# Altium PCB InsaneKeyboard.PcbDoc (part 1 of 3) (continued)
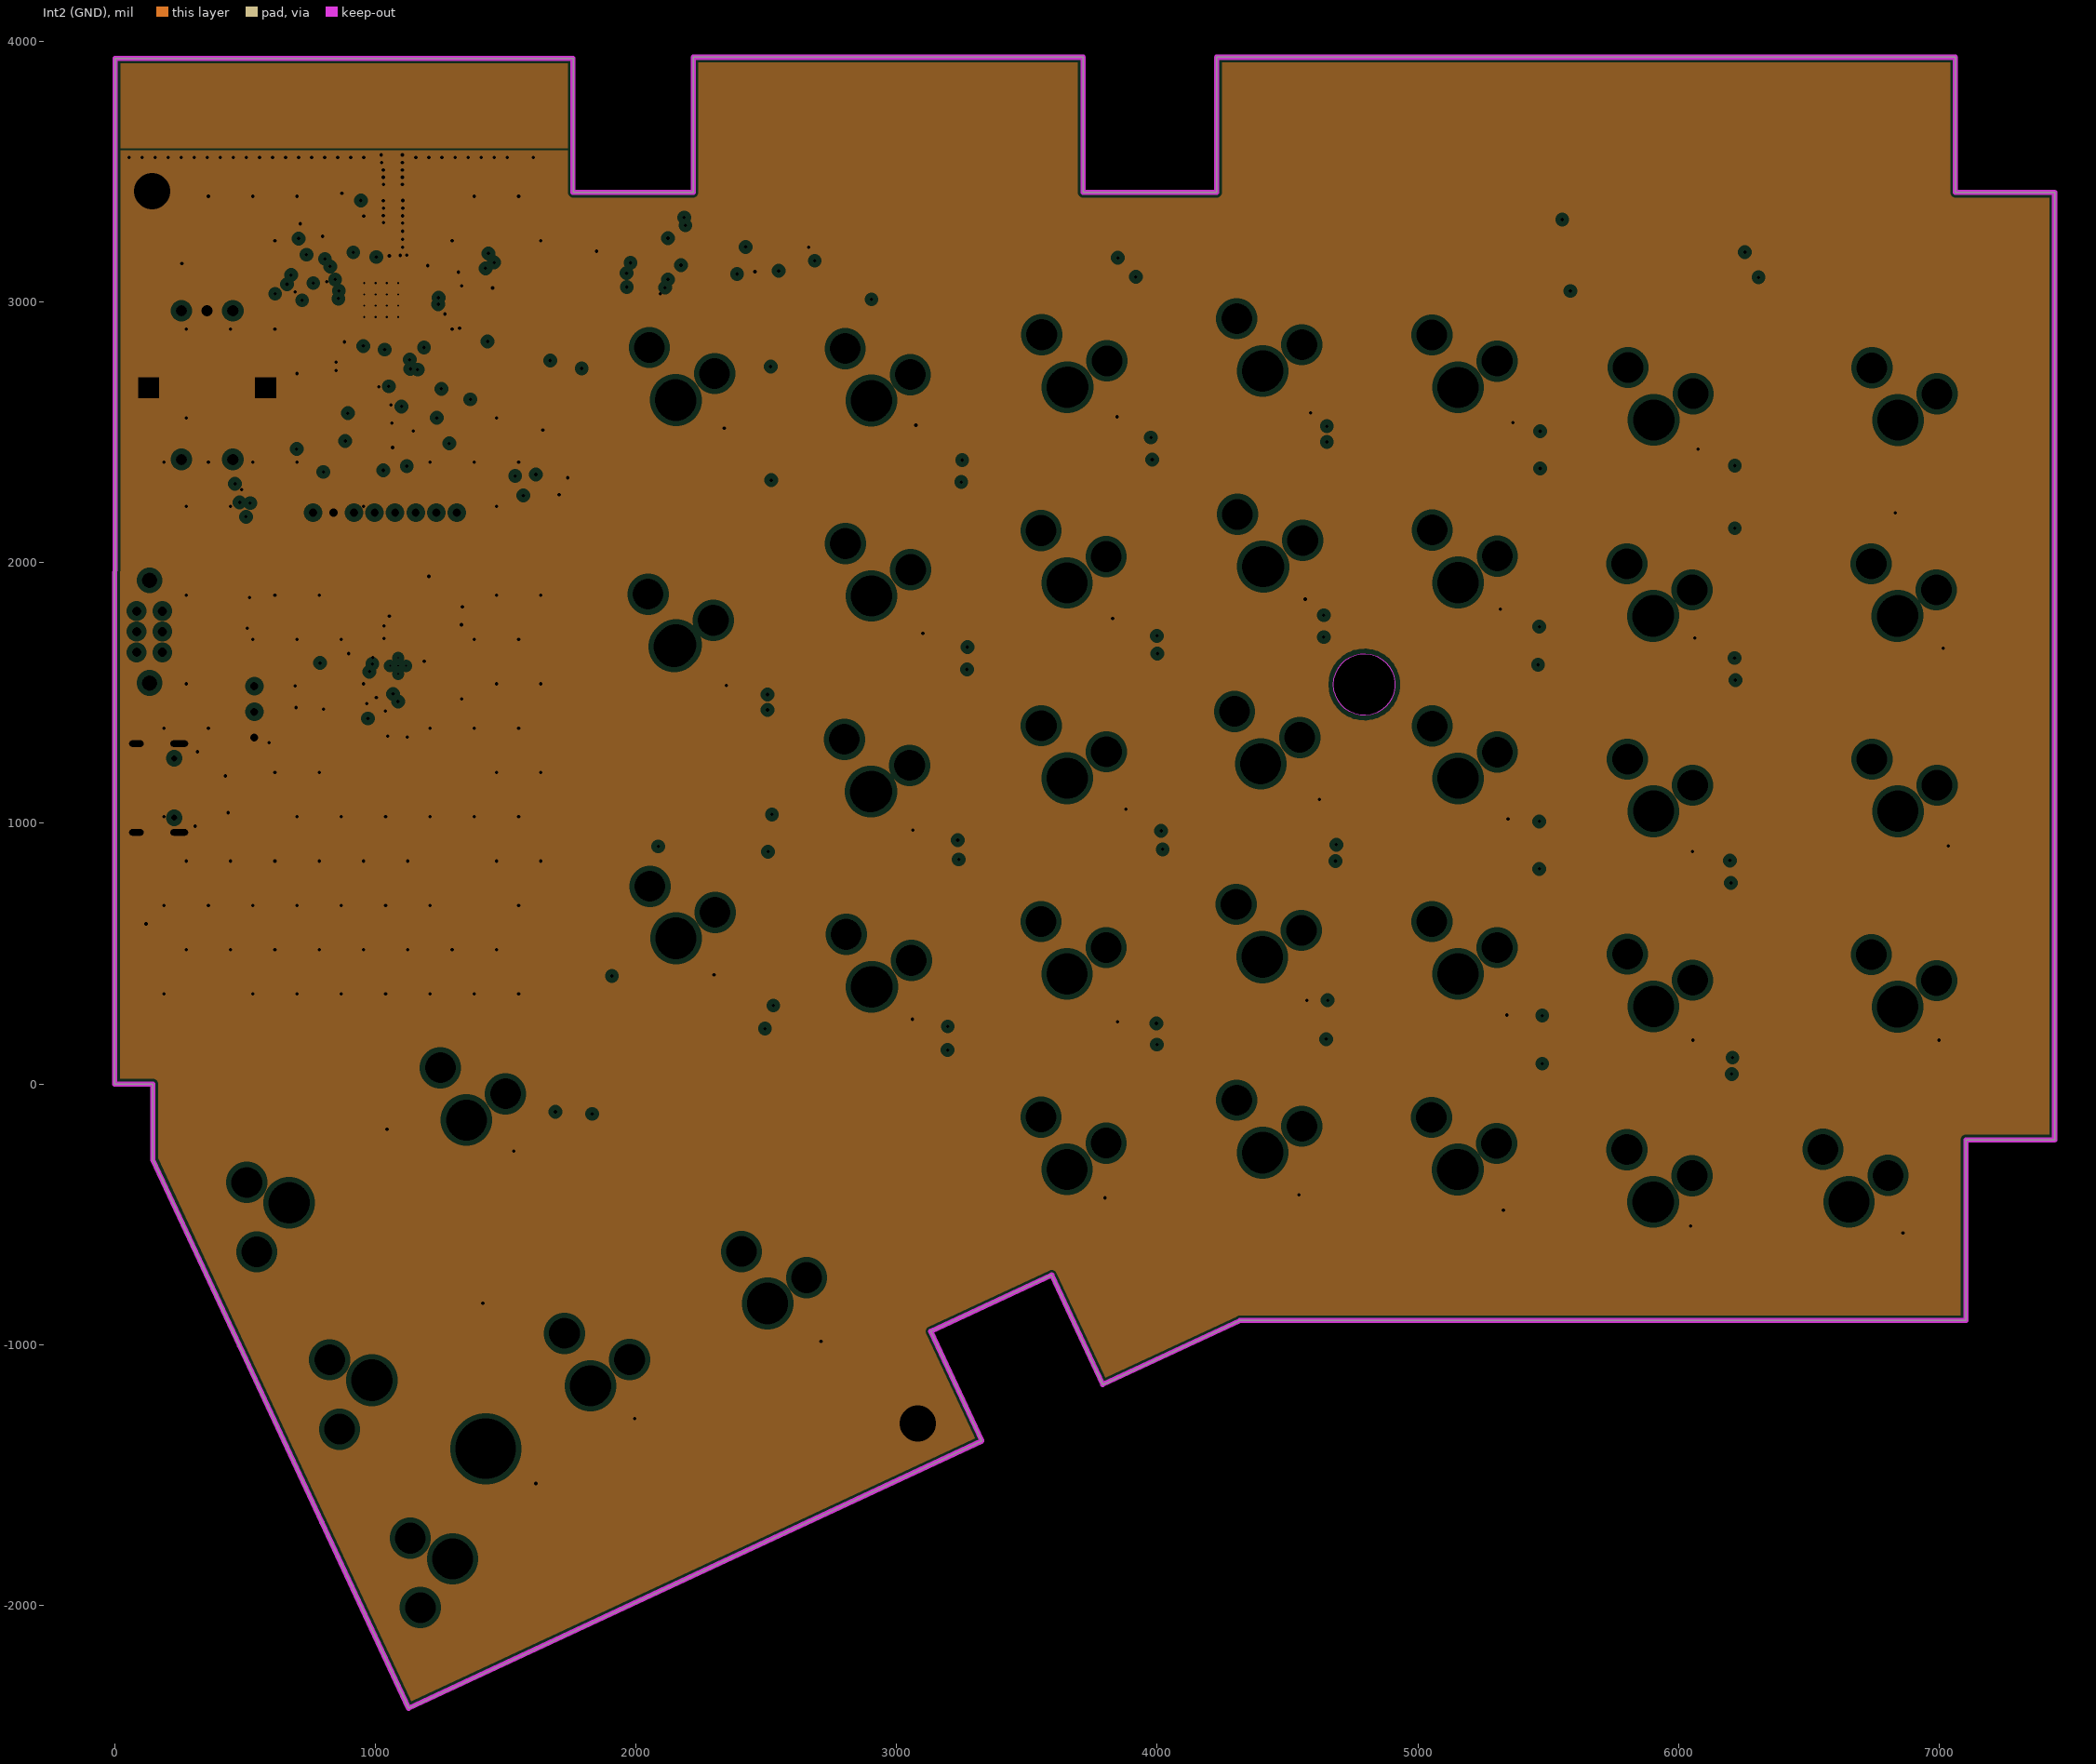
[diagram p3: Int2 (GND), clearances drawn from the general rule]
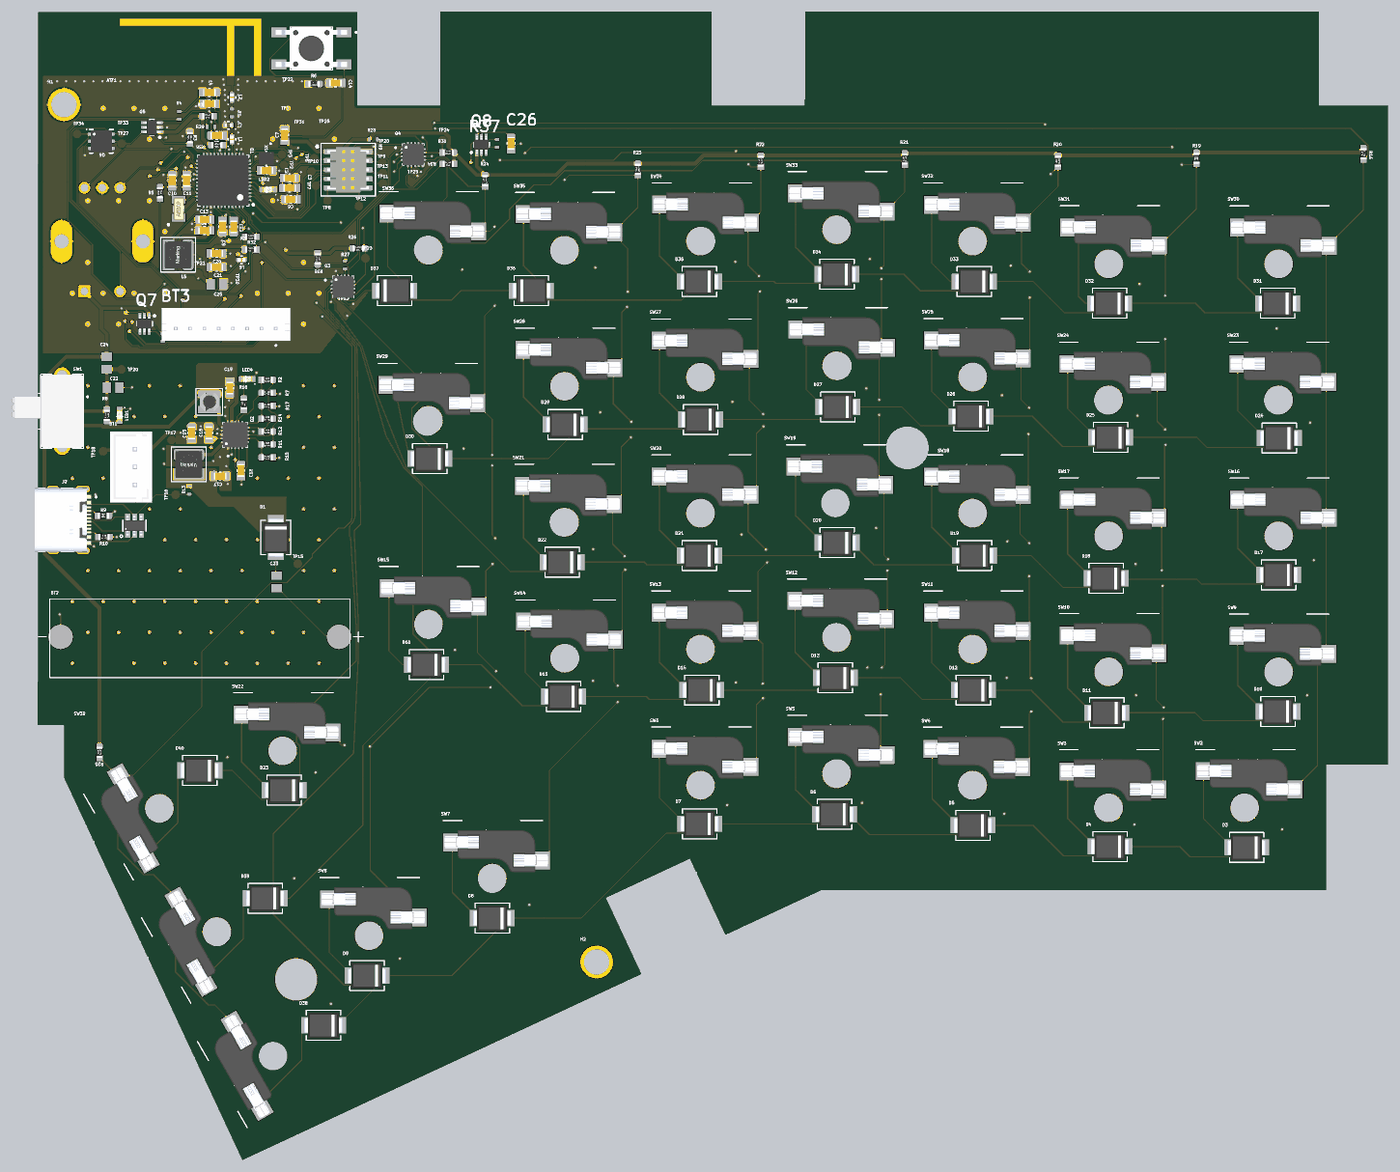
[diagram p6: 3D render of the assembled board from above, using the file's embedded part models]

## Layer stack, top to bottom
Top Solder: solder mask 0.8, SM-001, Dk 4
Top Layer: signal copper 1.4
Dielectric 1: prepreg 4, PP-017, Dk 4.3
Int1 (GND): plane copper 1.4, net GND
Dielectric 3: core 47, Core-039, Dk 4.8
Int2 (GND): plane copper 1.4, net GND
Dielectric 5: prepreg 4, PP-017, Dk 4.3
Bottom Layer: signal copper 1.4
Bottom Solder: solder mask 0.8, SM-001, Dk 4

## Board outline
479.2,-1003.43 795.33,-1681.38 1128.1,-2395 3327.42,-1369.44 3131.41,-949.1 3595.27,-732.8 3791.28,-1153.14 4317.45,-907.78 7103.08,-907.78 7103.08,-214.47 7442.84,-214.47 7442.84,3420.21 7062.33,3420.21 7062.33,3938.68 4227.68,3938.68 4227.68,3420.22 3715.87,3420.22 3715.87,3938.68 2219.81,3938.68 2219.81,3420.22 1760,3420.22 1760,3934.74 1.84,3934.75 0.01,-0.09 146.43,-0.09 146.43,-289.8
cut-out: 4676.38,1532.18 4678.28,1553.26 4683.92,1573.67 4693.11,1592.74 4705.56,1609.87 4720.87,1624.5 4738.54,1636.16 4758.01,1644.48 4778.65,1649.19 4799.81,1650.13 4820.79,1647.29 4840.92,1640.74 4859.57,1630.71 4876.12,1617.51 4890.05,1601.56 4900.91,1583.39 4908.35,1563.56 4912.13,1542.73 4912.13,1521.56 4908.35,1500.72 4900.91,1480.9 4890.05,1462.73 4876.12,1446.78 4859.57,1433.58 4840.92,1423.54 4820.79,1417 4799.81,1414.15 4778.65,1415.1 4758.01,1419.81 4738.54,1428.13 4720.87,1439.79 4705.56,1454.42 4693.11,1471.54 4683.92,1490.62 4678.28,1511.02 4676.38,1532.11

## Design rules (kind name [scope] priority, off if disabled: settings)
BoardOutlineClearance [All] p1: gap=10 ignorepadtopadclearanceinfootprint=FALSE except(0: Arc-SplitContinuation Track-SplitContinuation SMDPad-SplitContinuation THPad-SplitContinuation Via-SplitContinuation Fill-SplitContinuation Poly-SplitContinuation Region-SplitContinuation Text-SplitContinuation)
Clearance [All] p1: gap=4 ignorepadtopadclearanceinfootprint=FALSE
HoleSize [All] p1: absolutevalues=TRUE maxlimit=248 minlimit=1 maxpercent=80.000 minpercent=20.000
HoleToHoleClearance [All] p1: gap=7.87 allowstackedmicrovias=TRUE
MinimumSolderMaskSliver [All] p1: minsoldermaskwidth=3.94
PlaneClearance [All] p1: clearance=20
PlaneConnect [All] p1: planeconnectstyle=Relief reliefexpansion=20 reliefentries=4 reliefconductorwidth=10 reliefairgap=10
PolygonConnect vout [InNet('+3.3V') or InNet('VAEM')] p1: connectstyle=Direct reliefconductorwidth=10 reliefentries=4 polygonreliefangle="90 Angle" airgapwidth=10
PolygonConnect [All] p2: thpad.connectstyle=Relief thpad.reliefconductorwidth=10 thpad.reliefentries=4 thpad.polygonreliefangle="90 Angle" thpad.airgapwidth=10 smdpad.connectstyle=Direct smdpad.reliefconductorwidth=10 smdpad.reliefentries=4 smdpad.polygonreliefangle="90 Angle" smdpad.airgapwidth=10 via.connectstyle=Direct via.reliefconductorwidth=10 via.reliefentries=4 via.polygonreliefangle="90 Angle" via.airgapwidth=10
RoutingVias [All] p1: holewidth=13 width=21 viastyle="Through Hole" minholewidth=6 minwidth=10 maxholewidth=13 maxwidth=25
SilkToSilkClearance [All] p1: silktosilkclearance=4
SilkToSolderMaskClearance [IsPad] p1: minsilkscreentomaskgap=4 clearancetoexposedcopper=TRUE
SolderMaskExpansion [All] p1: expansion=4 istentingtop=FALSE
SupplyNets "Schematic Supply Nets_5" [InNet('USB_VCC')] p1: voltage=0.000
SupplyNets "Schematic Supply Nets_4" [InNet('GND')] p2: voltage=0.000
SupplyNets "Schematic Supply Nets_3" [InNet('+3.3V')] p3: voltage=0.000
SupplyNets "Schematic Supply Nets_2" [InNet('VMCU')] p4: voltage=0.000
SupplyNets "Schematic Supply Nets_1" [InNet('VDCDC')] p5: voltage=0.000
SupplyNets "Schematic Supply Nets" [InNet('PAVDD')] p6: voltage=0.000
Width "Schematic Width Constraint_9" [InNet('VMCU')] p1: maxlimit=20 minlimit=20 preferedwidth=20 minimp=50.000000 maximp=50.000000 favimp=50.000000
Width "Schematic Width Constraint_8" [InNet('VBAT')] p2: maxlimit=20 minlimit=6 preferedwidth=20
Width "Schematic Width Constraint_7" [InNet('VDCDC')] p3: maxlimit=20 minlimit=6 preferedwidth=20
Width "Schematic Width Constraint_6" [InNet('NetC17_1')] p4: maxlimit=20 minlimit=6 preferedwidth=20
Width "Schematic Width Constraint_3" [InNet('VSTOR')] p5: maxlimit=20 minlimit=6 preferedwidth=20
Width "Schematic Width Constraint_2" [InNet('NetL8_2')] p6: maxlimit=20 minlimit=6 preferedwidth=20
Width "Schematic Width Constraint" [InNet('+3.3V')] p7: maxlimit=20 minlimit=6 preferedwidth=20
Width "Schematic Width Constraint_5" [InNet('USB_VCC')] p8: maxlimit=20 minlimit=6 preferedwidth=20
Width "Schematic Width Constraint_4" [InNet('VMCU')] p9: maxlimit=20 minlimit=6 preferedwidth=20
Width "Schematic Width Constraint_1" [InNet('VOUT')] p10: maxlimit=20 minlimit=6 preferedwidth=20
Width [All] p11: maxlimit=10 minlimit=6 preferedwidth=6
23 further rules are at their usual default settings.

## Classes and differential pairs
component class U_Lights: C26 LED LED5 LED6 LED7 LED8 LED9 LED10 LED11 LED12 LED13 LED14 LED15 LED16 LED17 LED18 LED19 LED20 LED21 LED22 LED23 LED24 LED25 LED26 LED27 LED28 LED29 LED30 LED31 LED32 LED33 LED34 LED35 LED36 LED37 LED38 LED39 LED40 LED41 Q8 R37
component class U_Display: BT3 Q7 R333
net class RADIO_PF[7..0]: RADIO_PF0 RADIO_PF1 RADIO_PF2 RADIO_PF3 RADIO_PF4 RADIO_PF5 RADIO_PF6 RADIO_PF7
net class RADIO_PB[15..11]: RADIO_PB11 RADIO_PB12 RADIO_PB13 RADIO_PB14 RADIO_PB15
net class IO_ROW_P[7..0]: IO_ROW_P0 IO_ROW_P1 IO_ROW_P2 IO_ROW_P3 IO_ROW_P4 IO_ROW_P5 IO_ROW_P6 IO_ROW_P7
net class IO_COL_P[7..0]: IO_COL_P0 IO_COL_P1 IO_COL_P2 IO_COL_P3 IO_COL_P4 IO_COL_P5 IO_COL_P6 IO_COL_P7
component class U_Switches: D3 D4 D5 D6 D7 D8 D9 D10 D11 D12 D13 D14 D15 D16 D17 D18 D19 D20 D21 D22 D23 D24 D25 D26 D27 D28 D29 D30 D31 D32 D33 D34 D35 D36 D37 D38 D39 D40 H1 H2 R16 R19 R20 R21 R22 R23 R24 R25 SW2 SW3 SW4 SW5 SW6 SW7 SW8 SW9 SW10 SW11 SW12 SW13 SW14 SW15 SW16 SW17 SW18 SW19 SW20 SW21 SW22 SW23 SW24 SW25 SW26 SW27 SW28 SW29 SW30 SW31 SW32 SW33 SW34 SW35 SW36 SW37 SW38 SW39
component class U_RF_Antenna_Power: ATT1 C1 C2 C3 C4 C5 C6 C7 C8 C9 C10 C11 C12 C13 L1 L2 L3 L4 L5 L6 Q1 R1 R4 R5 TP1 TP2 TP3 X1 X2
component class U_Power: BT1 BT2 C15 C16 C17 C18 C19 C20 C21 C22 C23 C24 C25 D1 D2 J2 L7 L8 LED1 LED4 Q2 R2 R7 R8 R9 R10 R11 R12 R13 R14 R15 R17 R18 SW1 TP15 TP16 TP17 TP18 TP20 TP21 TP22
component class U_Peripherals: LED2 MT1 Q3 Q4 Q5 Q6 R3 R26 R27 R28 R29 R30 R31 R32 R33 R34 R35 R36 TP23 TP24 TP25 TP27 TP28 TP29 TP30 TP31 TP32 TP33 TP34
component class U_EFR32_IO: C14 H9 R6 S1 TP6 TP7 TP8 TP9 TP10 TP11 TP12 TP13
net class RADIO_PD[15..10]: RADIO_PD10 RADIO_PD11 RADIO_PD12 RADIO_PD13 RADIO_PD14 RADIO_PD15
net class RADIO_PC[11..6]: RADIO_PC6 RADIO_PC7 RADIO_PC8 RADIO_PC9 RADIO_PC10 RADIO_PC11
net class RADIO_PA[5..0]: RADIO_PA0 RADIO_PA1 RADIO_PA2 RADIO_PA3 RADIO_PA4 RADIO_PA5

## Components (designator, comment, footprint, x,y, rotation, side; value= is the part's Value field where it differs from the comment)
ATT1 "F_Interverted" F_INVERTED 1063,3533 r90 top
BT1 "Battery 1000mAh" BATTERY 536,1427 r90 top
BT2 "Solar Panel" "SOLAR PANEL" 893,490 r180 top
BT3 "1.54inch Waveshare Eink Display" "1.54inch waveshare eink" 1032,2238 r0 top
C1 "CAP 1.5pF 50V 0402" "CAPACITOR 0402" 1051,3311 r180 top value=1.5pF
C2 "CAP 100pF 100V 0603" "CAPACITOR 0603" 1261,3062 r0 top value=100pF
C3 "CAP 100pF 100V 0603" "CAPACITOR 0603" 1388,3021 r0 top value=100pF
C4 "CAP 220nF 50V 0603" "CAPACITOR 0603" 946,3430 r180 top value=220nF
C5 "CAP 10pF 50V 0603" "CAPACITOR 0603" 988,3255 r180 top value=10pF
C6 "CAP 4.7uF 25V 0603" "CAPACITOR 0603" 1394.95,2902.56 r180 top value=4.7uF
C7 "CAP 10uF 10V 0603" "CAPACITOR 0603" 1361,3257 r90 top value=10uF
C8 "CAP 1uF 10V 0603" "CAPACITOR 0603" 920,2731 r180 top value=1uF
C9 "CAP 0.1uF 100V 0603" "CAPACITOR 0603" 1019,2753 r270 top value=10nF
C10 "CAP 10uF 10V 0603" "CAPACITOR 0603" 740,3005 r90 top value=10uF
C11 "CAP 10nF 100V 0603" "CAPACITOR 0603" 820,3005.55 r90 top value=10nF
C12 "CAP 1uF 10V 0603" "CAPACITOR 0603" 1080,2752 r270 top value=1uF
C13 "CAP 1uF 10V 0603" "CAPACITOR 0603" 920,2791 r180 top value=1uF
C14 "CAP 1uF 10V 0603" "Capacitor 0603" 1642,3544 r180 top value=1uF
C15 "CAP 4.7uF 25V 0603" "CAPACITOR 0603" 848,1614 r90 top value=4.7uF
C16 "CAP 10nF 100V 0603" "CAPACITOR 0603" 943,1614.55 r90 top value=10nF
C17 "CAP 4.7uF 25V 0603" "CAPACITOR 0603" 1004.9,1376.91 r0 top value=4.7uF
C18 "CAP 10nF 100V 0603" "CAPACITOR 0603" 1119.9,1406.91 r90 top value=10nF
C19 "22uF 10V X5R 0603" "CAPACITOR 0603" 1058,1863 r270 top value=22uF
C20 "CAP 0.1uF 100V 0603" "CAPACITOR 0603" 985,2605 r0 top value=10nF
C21 "CAP 0.1uF 100V 0603" "CAPACITOR 0603" 985,2529 r0 top value=10nF
C22 "CAP 47uF 10V 0805" "CAPACITOR 0805" 415.35,1865 r0 top value=47uF
C23 "CAP 47uF 10V 0805" "CAPACITOR 0805" 1316,794 r270 top net-tie value=47uF
C24 "CAP 47uF 10V 0805" "CAPACITOR 0805" 380,2000.35 r90 top net-tie value=47uF
C25 "CAP 47uF 10V 0805" "Capacitor 0805" 988,2435 r0 top value=47uF
C26 "CAP 0.1uF 100V 0603" "Capacitor 0603" 2609,3211 r90 top value=10nF
D1 "Diode Schottky" "DIODE SCHOTTKY" 1312,1038 r270 top value=150pF
D2 "SRV05-4-P-T7" TVS 532.99,1103.16 r90 top value="TVS DIODE 5.5V 6TSOP"
D3 "Diode Schottky" "DIODE SCHOTTKY" 6665,-671 r180 top value=150pF
D4 "Diode Schottky" "DIODE SCHOTTKY" 5912,-666 r180 top value=150pF
D5 "Diode Schottky" "DIODE SCHOTTKY" 5156,-549 r180 top value=150pF
D6 "Diode Schottky" "DIODE SCHOTTKY" 4393,-488 r180 top value=150pF
D7 "Diode Schottky" "DIODE SCHOTTKY" 3649,-541 r180 top value=150pF
D8 "Diode Schottky" "DIODE SCHOTTKY" 2506,-1061 r180 top value=150pF
D9 "Diode Schottky" "DIODE SCHOTTKY" 1815,-1378 r180 top value=150pF
D10 "Diode Schottky" "DIODE SCHOTTKY" 6838,79 r180 top value=150pF
D11 "Diode Schottky" "DIODE SCHOTTKY" 5894.05,71.53 r180 top value=150pF
D12 "Diode Schottky" "DIODE SCHOTTKY" 5158.05,196.53 r180 top value=150pF
D13 "Diode Schottky" "DIODE SCHOTTKY" 4397.05,264.53 r180 top value=150pF
D14 "Diode Schottky" "DIODE SCHOTTKY" 3661.05,196.53 r180 top value=150pF
D15 "Diode Schottky" "DIODE SCHOTTKY" 2899,161 r180 top value=150pF
D16 "Diode Schottky" "DIODE SCHOTTKY" 2143,337 r180 top value=150pF
D17 "Diode Schottky" "DIODE SCHOTTKY" 6842,832 r180 top value=150pF
D18 "Diode Schottky" "DIODE SCHOTTKY" 5890.05,813.53 r180 top value=150pF
D19 "Diode Schottky" "DIODE SCHOTTKY" 5165.05,938.53 r180 top value=150pF
D20 "Diode Schottky" "DIODE SCHOTTKY" 4407.05,1009.53 r180 top value=150pF
D21 "Diode Schottky" "DIODE SCHOTTKY" 3648.05,938.53 r180 top value=150pF
D22 "Diode Schottky" "DIODE SCHOTTKY" 2891,902 r180 top value=150pF
D23 "Diode Schottky" "DIODE SCHOTTKY" 1358,-355 r180 top value=150pF
D24 "Diode Schottky" "DIODE SCHOTTKY" 6845.05,1586.53 r180 top value=150pF
D25 "Diode Schottky" "DIODE SCHOTTKY" 5915.05,1590.53 r180 top value=150pF
D26 "Diode Schottky" "DIODE SCHOTTKY" 5145.05,1706.53 r180 top value=150pF
D27 "Diode Schottky" "DIODE SCHOTTKY" 4411,1758 r180 top value=150pF
D28 "Diode Schottky" "DIODE SCHOTTKY" 3654.05,1688.53 r180 top value=150pF
D29 "Diode Schottky" "DIODE SCHOTTKY" 2908,1661 r180 top value=150pF
D30 "Diode Schottky" "DIODE SCHOTTKY" 2161,1473 r180 top value=150pF
D31 "Diode Schottky" "DIODE SCHOTTKY" 6836.05,2329.53 r180 top value=150pF
D32 "Diode Schottky" "DIODE SCHOTTKY" 5909.05,2329.53 r180 top value=150pF
D33 "Diode Schottky" "DIODE SCHOTTKY" 5163.05,2449.53 r180 top value=150pF
D34 "Diode Schottky" "DIODE SCHOTTKY" 4406.05,2490.53 r180 top value=150pF
D35 "Diode Schottky" "DIODE SCHOTTKY" 3648.05,2449.53 r180 top value=150pF
D36 "Diode Schottky" "DIODE SCHOTTKY" 2721,2399 r0 top value=150pF
D37 "Diode Schottky" "DIODE SCHOTTKY" 1967,2399 r0 top value=150pF
D38 "Diode Schottky" "DIODE SCHOTTKY" 1575,-1652 r180 top value=150pF
D39 "Diode Schottky" "DIODE SCHOTTKY" 1254,-952 r180 top value=150pF
D40 "Diode Schottky" "DIODE SCHOTTKY" 893,-246 r180 top value=150pF
H1 "#4 Hole" Hole 144,3425 r0 top
H2 "#4 Hole" HOLE 3081,-1303 r0 top
H9 "Mini SWD" "MINI SIMPLICITY CONNECTOR" 1711,3066 r270 top
J2 "Female USB Type C" "TYPE C" 83.99,1135.16 r270 top
L1 "1.9nH" "FERRITE 0402" 1069.92,3234 r90 top
L2 "1.9nH" "FERRITE 0402" 1069.92,3465 r90 top
L3 "Ferrite Bead 600(601) 1LN" "FERRITE 0603" 1389,2965 r180 top
L4 "Ferrite Bead 600(601) 1LN" "FERRITE 0603" 945,3492 r0 top
L5 "IND 4.7uH 1515" "IND 22UH (1.6X4.3)" 721,2597 r0 top
L6 "Farrite Bead 102(1k)" "FERRITE 0402" 1123,2569 r180 top
L7 "IND 10uH 1111" "IND 10UH (1X3.2)" 945,1742.39 r90 top
L8 "IND 22uH 1515" "IND 22UH (1.6X4.3)" 833,1389 r90 top
LED "WS2812B" WS2812B 6665,-793 r180 bottom
LED1 "GRN 0603" "LED 0603" 455,1710 r270 top
LED2 "GRN 0603" "LED 0603" 1267,2952 r180 top
LED4 "GRN 0603" "LED 0603" 1152,1908 r180 top
LED5 "WS2812B" WS2812B 5901,-795 r180 bottom
LED6 "WS2812B" WS2812B 5153,-667 r180 bottom
LED7 "WS2812B" WS2812B 4381,-621 r180 bottom
LED8 "WS2812B" WS2812B 3644,-597 r180 bottom
LED9 "WS2812B" WS2812B 2511,-1179 r180 bottom
LED10 "WS2812B" WS2812B 1836,-1490 r180 bottom
LED11 "WS2812B" WS2812B 1568,-1672 r180 bottom
LED12 "WS2812B" WS2812B 6839,-39 r180 bottom
LED13 "WS2812B" WS2812B 5901,-50 r180 bottom
LED14 "WS2812B" WS2812B 5158,81 r180 bottom
LED15 "WS2812B" WS2812B 4399,131 r180 bottom
LED16 "WS2812B" WS2812B 3658,79 r180 bottom
LED17 "WS2812B" WS2812B 2904,38 r180 bottom
LED18 "WS2812B" WS2812B 2137,217 r180 bottom
LED19 "WS2812B" WS2812B 1248,-950 r180 bottom
LED20 "WS2812B" WS2812B 6834,714 r180 bottom
LED21 "WS2812B" WS2812B 5881,705 r180 bottom
LED22 "WS2812B" WS2812B 5167,840 r180 bottom
LED23 "WS2812B" WS2812B 4399,895 r180 bottom
LED24 "WS2812B" WS2812B 3641,851 r180 bottom
LED25 "WS2812B" WS2812B 2878,788 r180 bottom
LED26 "WS2812B" WS2812B 1358,-477 r180 bottom
LED27 "WS2812B" WS2812B 956,-316 r180 bottom
LED28 "WS2812B" WS2812B 6849,1470 r180 bottom
LED29 "WS2812B" WS2812B 5912,1459 r180 bottom
LED30 "WS2812B" WS2812B 5136,1601 r180 bottom
LED31 "WS2812B" WS2812B 4415,1647 r180 bottom
LED32 "WS2812B" WS2812B 3659.54,1573.04 r180 bottom
LED33 "WS2812B" WS2812B 2910,1538 r180 bottom
LED34 "WS2812B" WS2812B 2160,1346 r180 bottom
LED35 "WS2812B" WS2812B 6836,2235 r0 bottom
LED36 "WS2812B" WS2812B 5932,2229 r180 bottom
LED37 "WS2812B" WS2812B 5180,2361 r180 bottom
LED38 "WS2812B" WS2812B 4412,2385 r180 bottom
LED39 "WS2812B" WS2812B 3641,2327 r180 bottom
LED40 "WS2812B" WS2812B 2912,2303 r180 bottom
LED41 "WS2812B" WS2812B 2165,2298 r180 bottom
MT1 "Rotery Encoder" "Rotery Encoder" 355,2671 r0 bottom
Q1 "EFR32BG13P632F512GM32-DR" EFR32BG 1022.76,3007.1 r180 top
Q2 "BQ25570RGRR" BQ25570RGRR 1088,1604 r90 top
Q3 "TCA6408ARGTR" "TCA6408ARGTR - IO EXPANDER" 1683,2420 r0 top
Q4 "TCA6408ARGTR" "TCA6408ARGTR - IO EXPANDER" 2070,3150 r0 top
Q5 "TPS22919" "TPS22919DCKR - LOAD SW" 629,3300 r180 top
Q6 "SI7021-A20-GM1R" "SI7021-A20 - TEMP" 350,3223 r0 top
Q7 "TPS22919" "TPS22919DCKR - Load SW" 588,2217 r270 top
Q8 "TPS22919" "TPS22919DCKR - Load SW" 2446,3204 r90 top
R1 "RES 0R 0402" "RESISTOR 0402" 1070,3380 r90 top value=0R
R2 "RES 8.2M 0603" "RESISTOR 0603" 1264.9,1906.91 r0 top value=8.2MR
R3 "RES 330K 0603" "Resistor 0603" 838,3243 r90 top value=330kR
R4 "RES 0R 0402" "RESISTOR 0402" 779,3365 r90 top value=0R
R5 "RES 1R 0603" "RESISTOR 0603" 674,2939 r90 top value=1R
R6 "RES 100R 0603" "RESISTOR 0603" 1522,3539 r0 top value=100R
R7 "RES 4.75M 0603" "RESISTOR 0603" 1264.9,1835.74 r180 top value=4.75MR
R8 "RES 100R 0603" "RESISTOR 0603" 380,1711.5 r270 top value=100R
R9 "RES 5.1K 0603" "RESISTOR 0603" 360.99,1158.16 r0 top value=5.1kR
R10 "RES 5.1K 0603" "RESISTOR 0603" 364.99,1041.16 r0 top value=5.1kR
R11 "RES 7.32M 0603" "RESISTOR 0603" 1264.9,1551.08 r0 top value=7.32MR
R12 "RES 1.24M 0603" "RESISTOR 0603" 1264.9,1622.25 r0 top value=1.24MR
R13 "RES 0R 0402" "RESISTOR 0402" 834.86,1299.12 r270 top value=0R
R14 "RES 6.65M 0603" "RESISTOR 0603" 1264.9,1693.41 r0 top value=6.65MR
R15 "RES 5.62M 0603" "RESISTOR 0603" 1264.9,1479.91 r180 top value=5.6MR
R16 "RES 10K 0603" "Resistor 0603" 7309,3154 r90 top value=10kR
R17 "RES 4.99M 0603" "RESISTOR 0603" 1264.9,1764.58 r180 top value=4.99MR
R18 "RES 100R 0603" "RESISTOR 0603" 1135,1774 r90 top value=100R
R19 "RES 10K 0603" "Resistor 0603" 6388,3129 r90 top value=10kR
R20 "RES 10K 0603" "RESISTOR 0603" 5625,3113 r90 top value=10kR
R21 "RES 10K 0603" "RESISTOR 0603" 4780,3125 r90 top value=10kR
R22 "RES 10K 0603" "RESISTOR 0603" 3986,3113 r90 top value=10kR
R23 "RES 10K 0603" "RESISTOR 0603" 3308,3068 r90 top value=10kR
R24 "RES 10K 0603" "RESISTOR 0603" 2466,3006 r90 top value=10kR
R25 "RES 10K 0603" "RESISTOR 0603" 340,-146.5 r90 top value=10kR
R26 "RES 10K 0603" "RESISTOR 0603" 1767,2633 r180 top value=10kR
R27 "RES 0R 0402" "RESISTOR 0402" 1694,2541.65 r270 top value=0R
R28 "RES 0R 0402" "RESISTOR 0402" 1850,3233 r0 top value=0R
R29 "RES 0R 0402" "RESISTOR 0402" 954,3303 r0 top value=0R
R30 "RES 10K 0603" "RESISTOR 0603" 2263,3161 r0 top value=10kR
R31 "RES 10K 0603" "RESISTOR 0603" 1173,2626 r180 top value=10kR
R32 "RES 10K 0603" "RESISTOR 0603" 1174,2697 r180 top value=10kR
R33 "RES 10K 0603" "Resistor 0603" 937.22,3362 r180 top value=10kR
R34 "RES 10K 0603" "Resistor 0603" 2263,3099 r180 top value=10kR